# Allegro board TubiiPCB_V6.brd (continued)
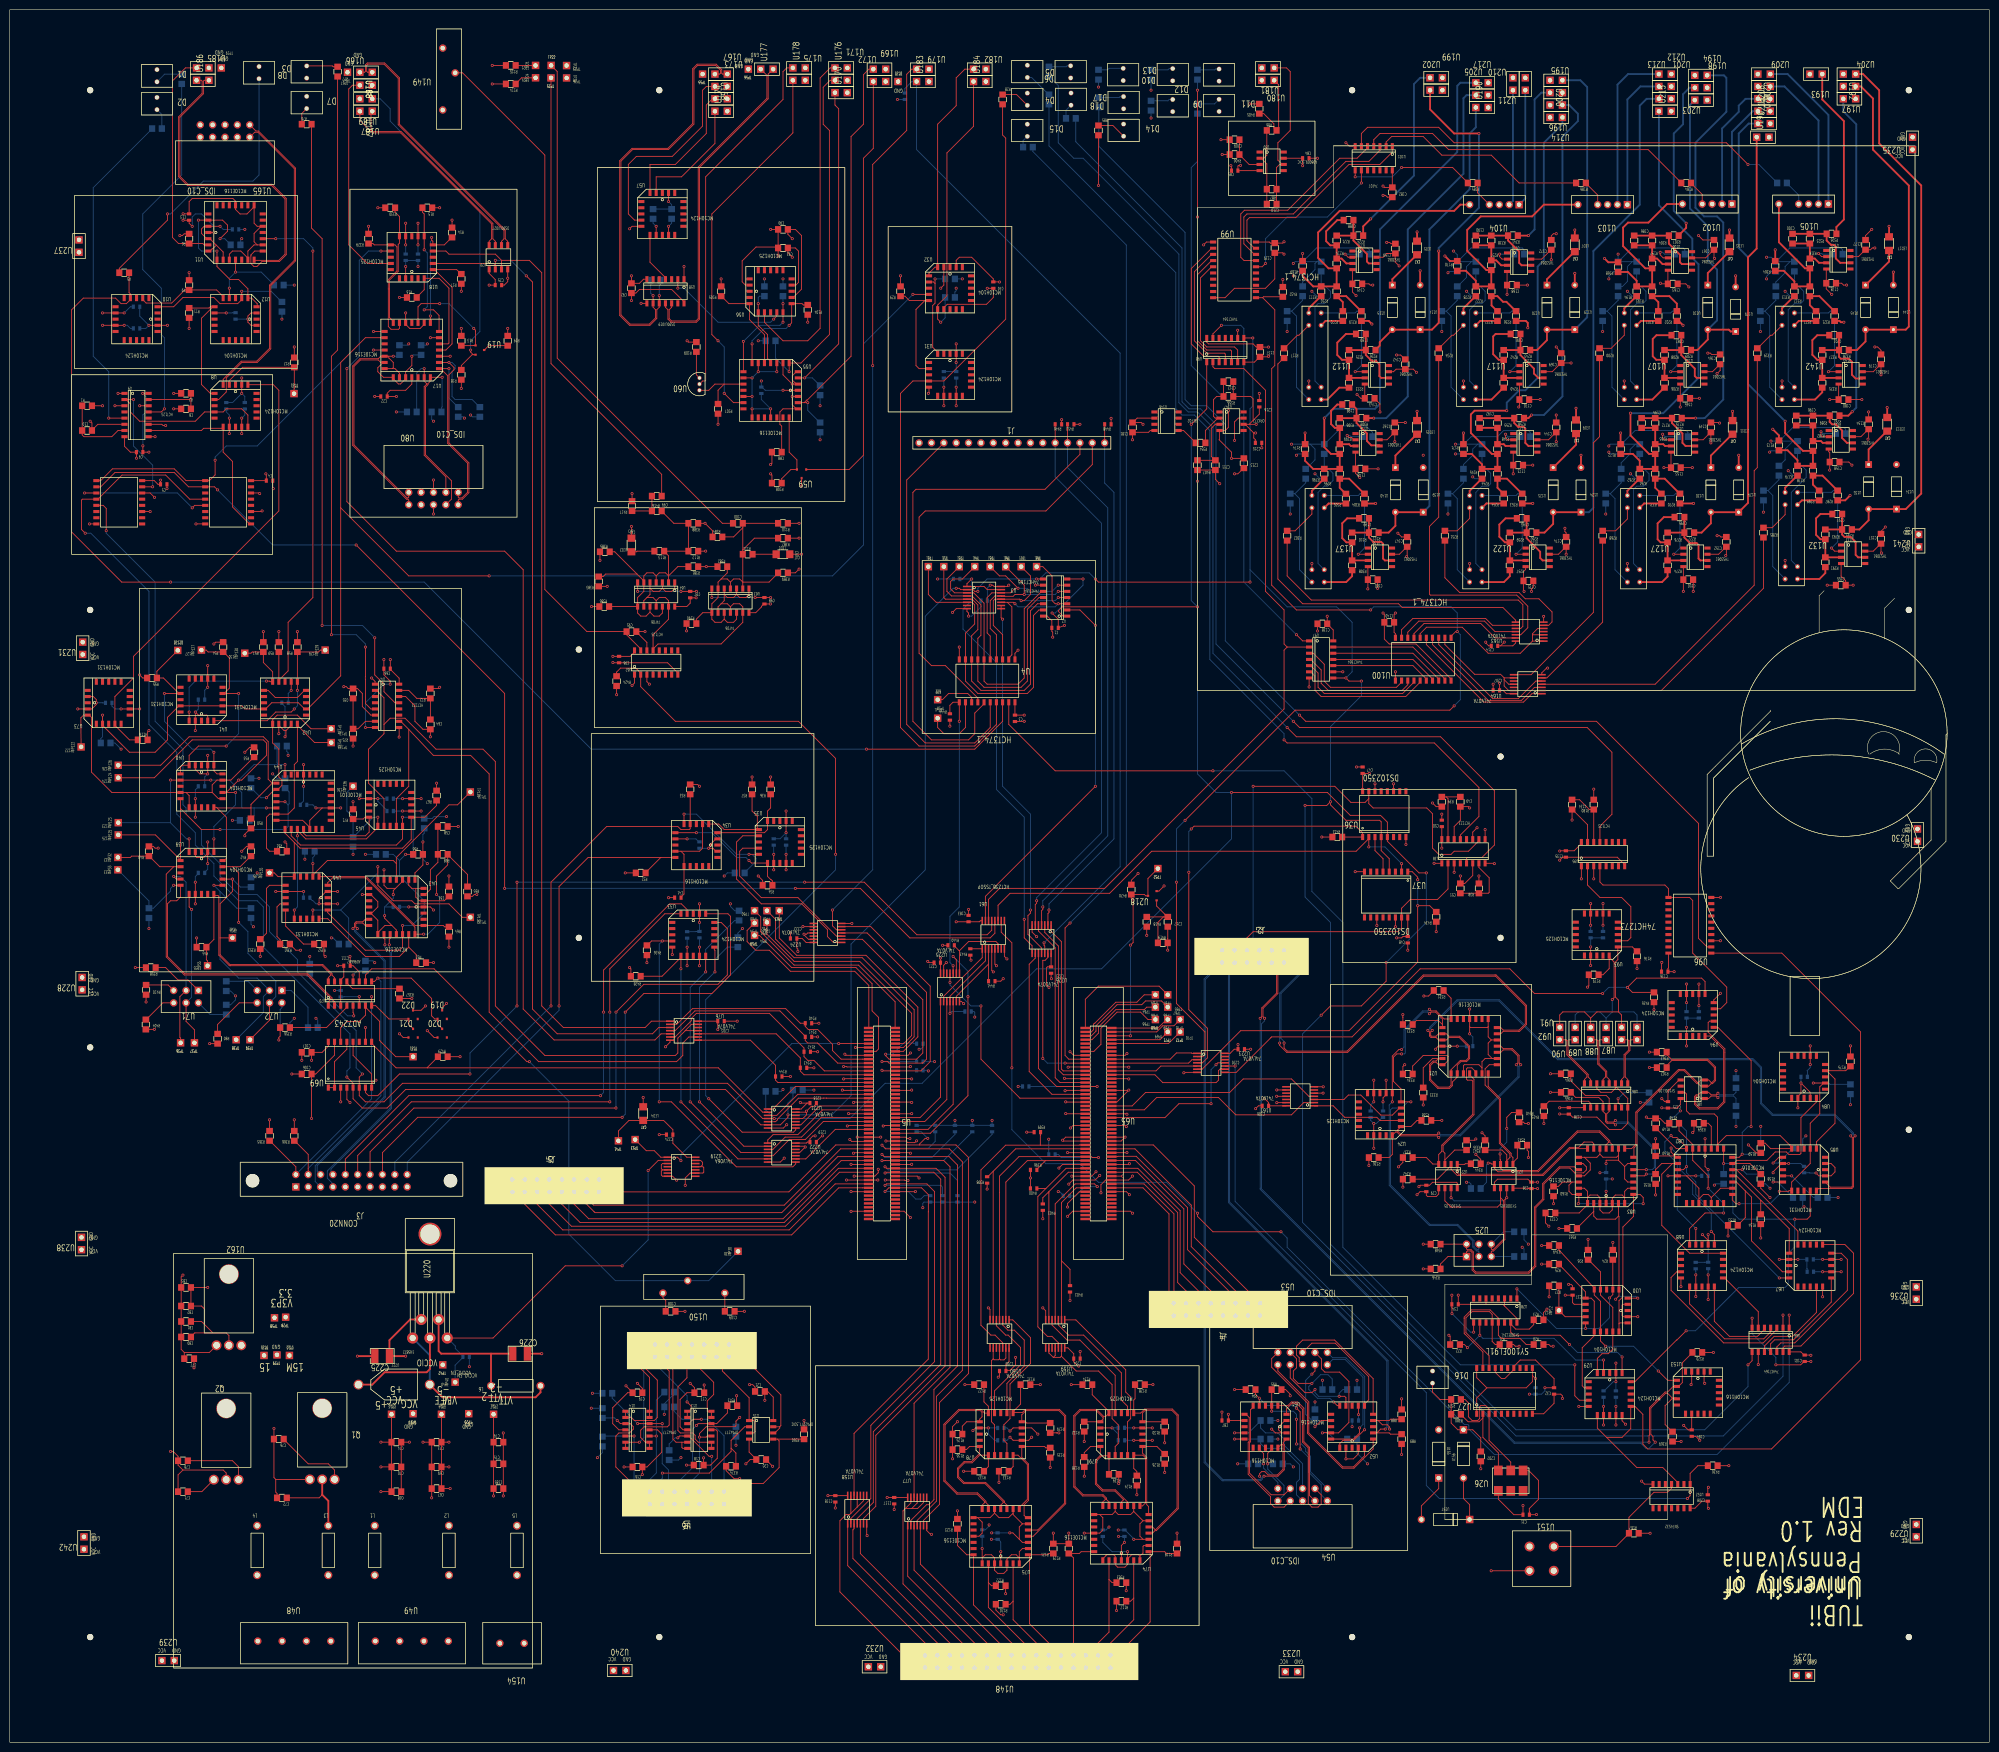
[diagram p0: board, top side]
## Placement (name value [footprint] x y rotation side) (continued)
U135  -  [DO35]  381.63 262.25 180 top
U136  ***  [SOIC8]  278.76 266.7 0 top
U137  -  [COTO2300_V1]  268.6 247.01 0 top
U138  ***  [SOIC8]  281.3 243.2 0 top
U139  -  [DO35]  290.19 252.48 0 top
U140  -  [DO35]  284.48 261.62 180 top
U141  ***  [SOIC8]  375.41 304.29 0 top
U142  -  [COTO2300_V1]  365.12 284.48 0 top
U143  ***  [SOIC8]  377.95 280.67 0 top
U144  -  [DO35]  386.71 289.94 0 top
U145  -  [DO35]  381 299.08 180 top
U146  ***  [SOIC8]  237.49 271.14 0 top
U147  ***  [SOIC8]  250.83 271.14 0 top
U148  -  [CONN32]  201.87 16.57 270 top
U149  -  [3006_TRIMPOT]  90.17 341.38 180 top
U150  -  [3006_TRIMPOT]  140.46 93.47 270 top
U151  -  [D6R10F1_BUTTON]  314.51 37.69 90 top
U152  ***  [SOIC14]  341.18 50.52 270 top
U153  ***  [PLCC20]  346.58 71.75 0 top
U154  -  [OSTOQ027150]  103.12 20.32 270 top
U155  -  [DO41]  293.37 54.23 0 top
U156  -  [DO41]  298.45 64.13 180 top
U157  -  [DO41]  299.72 45.72 90 top
U158  ***  [TSSOP14]  173.99 47.75 90 top
U159  ***  [TSSOP14]  214.63 83.82 270 top
U160  ***  [TSSOP14]  203.2 83.82 270 top
U161  ***  [TSSOP14]  264.92 132.59 180 top
U162  -  [TO220ABH]  42.46 81.47 270 top
U163  ***  [TSSOP14]  312.04 227.97 180 top
U164  ***  [TSSOP14]  311.66 217.17 180 top
U165  -  [CONN10]  49.28 331.98 180 top
U166  -  [SIP2]  73.15 340.11 90 top
U167  -  [SIP2]  146.05 339.85 90 top
U168  -  [SIP2]  146.05 342.39 270 top
U169  -  [SIP2]  178.56 340.87 90 top
U170  -  [SIP2]  170.69 338.58 90 top
U171  -  [SIP2]  170.69 341.12 90 top
U172  -  [SIP2]  178.56 343.41 90 top
U173  -  [SIP2]  146.05 337.31 90 top
U174  -  [SIP2]  146.05 334.77 90 top
U175  -  [SIP2]  162.05 341.12 90 top
U176  -  [SIP2]  170.69 343.66 90 top
U177  -  [SIP2]  155.45 343.41 90 top
U178  -  [SIP2]  162.05 343.66 90 top
U179  -  [SIP2]  187.45 343.41 90 top
U180  -  [SIP2]  258.32 341.12 270 top
U181  -  [SIP2]  258.32 343.66 270 top
U182  -  [SIP2]  199.14 343.41 90 top
U183  -  [SIP2]  187.45 340.87 90 top
U184  -  [SIP2]  199.14 340.87 90 top
U185  -  [SIP2]  39.62 343.66 90 top
U186  -  [SIP2]  39.62 341.12 90 top
U187  -  [SIP2]  73.15 334.77 270 top
U188  -  [SIP2]  73.15 342.77 270 top
U189  -  [SIP2]  73.15 337.31 270 top
U190  -  [SIP2]  302.26 335.53 90 top
U191  -  [SIP2]  359.92 329.44 90 top
U192  -  [SIP2]  377.7 342.39 270 top
U193  -  [SIP2]  370.84 342.39 270 top
U194  -  [SIP2]  347.22 339.6 90 top
U195  -  [SIP2]  317.5 338.58 90 top
U196  -  [SIP2]  317.5 336.04 270 top
U197  -  [SIP2]  377.7 339.85 270 top
U198  -  [SIP2]  347.22 337.06 90 top
U199  -  [SIP2]  292.86 339.09 90 top
U200  -  [SIP2]  317.5 341.12 270 top
U201  -  [SIP2]  339.85 337.31 90 top
U202  -  [SIP2]  292.86 341.63 90 top
U203  -  [SIP2]  347.22 342.14 270 top
U204  -  [SIP2]  377.7 337.31 90 top
U205  -  [SIP2]  302.26 338.07 90 top
U206  -  [SIP2]  360.17 342.39 270 top
U207  -  [SIP2]  360.17 339.85 270 top
U208  -  [SIP2]  360.17 334.77 90 top
U209  -  [SIP2]  360.17 337.31 90 top
U210  -  [SIP2]  311.15 340.36 180 top
U211  -  [SIP2]  308.61 340.36 180 top
U212  -  [SIP2]  339.85 339.85 90 top
U213  -  [SIP2]  339.85 342.39 90 top
U214  -  [SIP2]  317.5 333.5 270 top
U215  -  [SIP2]  339.85 334.77 90 top
U216  -  [SIP2]  360.17 332.23 90 top
U217  -  [SIP2]  302.26 340.61 90 top
U218  -  [SOT23]  234.57 173.74 180 top
U219  ***  [TSSOP14]  137.92 118.12 0 top
U220  -  [TO220_5PIN]  86.27 84.87 90 top
U221  ***  [TSSOP14]  158.5 128.02 0 top
U222  ***  [TSSOP14]  158.5 121.03 0 top
U223  ***  [TSSOP14]  246.63 139.45 0 top
U224  ***  [TSSOP14]  167.89 166.12 180 top
U225  ***  [TSSOP14]  193.04 154.94 90 top
U226  ***  [TSSOP14]  211.84 164.85 270 top
U227  ***  [DO201AD]  86.23 73.41 90 top
U228  -  [SIP2]  14.86 155.7 180 top
U229  -  [SIP2]  391.41 43.43 180 top
U230  -  [SIP2]  391.67 186.18 180 top
U231  -  [SIP2]  14.99 224.54 180 top
U232  -  [SIP2]  177.55 15.49 90 top
U233  -  [SIP2]  263.14 14.48 90 top
U234  -  [SIP2]  368.05 13.72 90 top
U235  -  [SIP2]  390.65 328.17 180 top
U236  -  [SIP2]  391.41 92.2 180 top
U237  -  [SIP2]  14.22 307.09 180 top
U238  -  [SIP2]  14.73 102.36 180 top
U239  -  [SIP2]  32.51 16.76 90 top
U240  -  [SIP2]  125.22 14.73 90 top
U241  -  [SIP2]  391.92 246.63 180 top
U242  -  [SIP2]  15.24 40.89 180 top

## Library data of the parts
C1-C3 = CSMD0603: Tolerance: ***; User Part Number: 0603; part number: CSMD0603-0.1UF,10%,0603,50V; room: CNTRL_REG
C4-C7 C9 = CSMD0603: Tolerance: ***; User Part Number: 0603; part number: CSMD0603-1.0UF,10%,0603,25V; room: GT_DELAY
C8 C10 = CSMD0805: part number: CSMD0805-0.1UF,5%,0805,50V; room: GT_DELAY
C11-C15 = CSMD0603: Tolerance: ***; User Part Number: 0603; part number: CSMD0603-0.1UF,10%,0603,50V; room: SEL_LO
C16-C21 = CSMD0805: part number: CSMD0805-1.0UF,10%,0805,25V; room: BASE_BUFFER
C22-C25 = CSMD0603: Tolerance: ***; User Part Number: 0603; part number: CSMD0603-0.1UF,10%,0603,50V; room: CAEN_DIG
C26-C30 = CSMD0603: Tolerance: ***; User Part Number: 0603; part number: CSMD0603-0.1UF,10%,0603,50V; room: CHANGE_CLKS
C31 = CSMD0603: Tolerance: ***; User Part Number: 0603; part number: CSMD0603-10NF,10%,0603,25V; room: CLK_PICK
C32-C37 C184 = CSMD0603: Tolerance: ***; User Part Number: 0603; part number: CSMD0603-0.1UF,10%,0603,50V; room: CLK_PICK
C38-C40 = CSMD0603: Tolerance: ***; User Part Number: 0603; part number: CSMD0603-0.1UF,10%,0603,50V; room: ECAL_CONTROL
C41-C46 = CSMD0603: Tolerance: ***; User Part Number: 0603; part number: CSMD0603-0.1UF,10%,0603,50V; room: ELLIE
C47 C48 = CSMD0603: Tolerance: ***; User Part Number: 0603; part number: CSMD0603-0.1UF,10%,0603,50V; room: GENERIC_DELAYS
C49 C51 = CSMD0805: part number: CSMD0805-0.1UF,5%,0805,50V; room: GENERIC_DELAYS
C50 = CSMD0603: Tolerance: ***; User Part Number: 0603; part number: CSMD0603-1.0UF,10%,0603,25V; room: GENERIC_DELAYS
C52-C57 C60 C62 C63 C66 = CSMD0603: Tolerance: ***; User Part Number: 0603; part number: CSMD0603-0.1UF,5%,0603,50V; room: MTCA_MIMIC
C58 C59 C61 C64 C65 = CSMD0805: part number: CSMD0805-0.1UF,5%,0805,50V; room: MTCA_MIMIC
C67 C68 C75 C77 C80 = TANT0805: part number: TANT0805-10UF,5%,0805,25V; room: POWER
C69 C70 C79 C81 = TANT0805: part number: TANT0805-1UF,10%,0805,25V; room: POWER
C71 C72 = CSMD0805: part number: CSMD0805-0.33UF,10%,0805,25V; room: POWER
C73 C74 C82 C185 = TANT0805: part number: TANT0805-0.1UF,5%,0805,50V; room: POWER
C76 C78 = CSMD0805: part number: CSMD0805-0.1UF,5%,0805,50V; room: POWER
C83 = CSMD0805: part number: CSMD0805-10NF,10%,0805,25V; room: POWER
C84 C85 = CSMD0603: Tolerance: ***; User Part Number: 0603; part number: CSMD0603-0.1UF,10%,0603,50V; room: PULSE_INV
C86 C87 = CSMD0603: Tolerance: ***; User Part Number: 0603; part number: CSMD0603-0.1UF,10%,0603,50V; room: RIBBON_DELAY
C88 C90-C94 = CSMD0805: part number: CSMD0805-0.1UF,5%,0805,50V; room: TRANSLATORS
C89 = CSMD0603: Tolerance: ***; User Part Number: 0603; part number: CSMD0603-0.1UF,10%,0603,50V; room: TRANSLATORS
C95 = CSMD0805: part number: CSMD0805-100NF,10%,0805,25V; room: SPKR
C96-C98 = CSMD0603: Tolerance: ***; User Part Number: 0603; part number: CSMD0603-0.1UF,5%,0603,50V; room: SPKR
C99 C100 = CSMD0805: part number: CSMD0805-0.1UF,5%,0805,50V; room: SPKR
C101-C105 C124-C133 C135 C136 C208 = CSMD0603: Tolerance: ***; User Part Number: 0603; part number: CSMD0603-0.1UF,10%,0603,50V; room: FAULT_DETECT
C106-C109 = CSMD0805: part number: CSMD0805-1UF,10%,0805,25V
C110-C112 C203-C207 C214-C216 C218-C224 = CSMD0603: Tolerance: ***; User Part Number: 0603; part number: CSMD0603-0.1UF,10%,0603,50V
C113-C122 = CSMD0603: Tolerance: ***; User Part Number: 0603; part number: CSMD0603-0.1UF,10%,0603,50V; room: EXT_TRIG
C123 = CSMD0805: part number: CSMD0805-0.1UF,5%,0805,50V; room: FAULT_DETECT
C134 = CSMD0805: part number: CSMD0805-15PF,10%,0805,25V; room: FAULT_DETECT
C137-C140 C182 = CSMD0805: part number: CSMD0805-0.1UF,5%,0805,50V; room: CAEN_ANALOG
C141-C180 = CSMD0805: part number: CSMD0805-1UF,10%,0805,25V; room: CAEN_ANALOG
C181 C209 C211 C213 = CSMD0805: part number: CSMD0805-0.1UF,5%,0805,50V
C183 = CSMD0603: Tolerance: ***; User Part Number: 0603; part number: CSMD0603-0.1UF,5%,0603,50V
C186-C201 = CSMD0805: part number: CSMD0805-NS,10%,0805,25V; room: CAEN_ANALOG
C202 = CSMD0805: part number: CSMD0805-0.01UF,10%,0805,25V
C210 C212 = CSMD0805: part number: CSMD0805-NS,10%,0805,25V
C217 = CSMD0805: part number: CSMD0805-5PF,5%,0805,50V
C225 = CAP_1210: Tolerance: TOL?; User Part Number: CL32A227MQVNNE; part number: CAP_1210-220UF,20%,6.3V,X5R
C226 = CAP_1210: Tolerance: TOL?; User Part Number: CKG57NX7S1C107M500JH; part number: CAP_1210-100UF,20%,16V,X7S
D1 D2 = LED_L: room: GT_DELAY
D3 = LED_L: room: SEL_LO
D4-D6 D9-D18 = LED_L
D7 D8 = LED_L: room: MTCA_MIMIC
D19-D22 = BAS16LT1
J1 = SIP_HEADER_16PIN
J2 = CONN12
J3 = CONN20: User Part Number: ***
J4 J5 = CONN16
L1-L6 = INDUCTOR_L: alternate symbols: (INDUCT_SMD); room: POWER
LED1 LED2 = LED_1206: part number: LED_1206-RED,RED,1206,16V; room: SPKR
LED3 LED5 LED7 LED9 LED11 LED13 LED15 LED17 = LED_1206: part number: LED_1206-GREEN,GREEN,1206,16V; room: CAEN_ANALOG
LED4 = LED_1206: part number: LED_1206-RED,RED,1206,16V
Q1 = 7915_L: room: POWER
Q2 = 7815S_L: room: POWER
R1 R2 = RSMD0805: part number: RSMD0805-10K,1%,0805; room: GT_DELAY
R3 R4 = RSMD0805: part number: RSMD0805-100,1%,0805; room: GT_DELAY
R5 = RSMD0805: part number: RSMD0805-100,1%,0805; room: SEL_LO
R6-R11 = RSMD0805: part number: RSMD0805-50,1%,0805; room: SEL_LO
R12 R28 R40 R41 R110 R112 R181 R182 R367 R368 R381-R390 R416 R417 = RSMD0805: part number: RSMD0805-100,1%,0805
R13-R17 R187-R192 R329 R330 = RSMD0805: part number: RSMD0805-50,1%,0805; room: CAEN_DIG
R18 R19 = RSMD0805: part number: RSMD0805-1000,1%,0805; room: CAEN_DIG
R20-R27 R349 R369 R370 = RSMD0805: part number: RSMD0805-50,1%,0805; room: CLK_PICK
R29-R31 = RSMD0805: part number: RSMD0805-50,1%,0805; room: ECAL_CONTROL
R32-R37 = RSMD0805: part number: RSMD0805-50,1%,0805; room: ELLIE
R38 R39 = RSMD0805: part number: RSMD0805-10K,1%,0805; room: GENERIC_DELAYS
R42-R46 R48-R65 R67 R69-R71 R73 R74 = RSMD0805: part number: RSMD0805-50,1%,0805; room: MTCA_MIMIC
R47 R80 R356-R358 R404 R408-R415 = RSMD0805: part number: RSMD0805-5.1K,1%,0805
R66 R68 = RSMD0805: part number: RSMD0805-1000,1%,0805; room: MTCA_MIMIC
R72 R75 = RSMD0805: part number: RSMD0805-10K,1%,0805; room: MTCA_MIMIC
R76 R77 = RSMD0805: part number: RSMD0805-100,1%,0805; room: MTCA_MIMIC
R78 R79 R82-R85 R114 R115 R418 = RSMD0805: part number: RSMD0805-1000,1%,0805
R81 R350 R371-R378 R420 = RSMD0805: part number: RSMD0805-NS,1%,0805
R86 R87 = RSMD0805: part number: RSMD0805-1000,1%,0805; room: PULSE_INV
R88-R99 = RSMD0805: part number: RSMD0805-50,1%,0805; room: RIBBON_DELAY
R100-R107 = RSMD0805: part number: RSMD0805-50,1%,0805; room: TRANSLATORS
R108 R109 = RSMD0805: part number: RSMD0805-1000,1%,0805; room: TRANSLATORS
R111 R113 = RSMD0805: part number: RSMD0805-1000,1%,0805; room: SPKR
R116 R365 R366 R379 R380 R405 = RSMD0805: part number: RSMD0805-50,1%,0805
R117-R139 R363 = RSMD0805: part number: RSMD0805-50,1%,0805; room: EXT_TRIG
R140-R147 R391-R403 R421 R437-R450 = RSMD0603: Tolerance: ***; User Part Number: 0603; part number: RSMD0603-4K,0.1%,0603
R148-R166 R175-R179 = RSMD0805: part number: RSMD0805-50,1%,0805; room: FAULT_DETECT
R167 = RSMD0805: part number: RSMD0805-499,1%,0805; room: CLK_PICK
R168-R174 R364 = RSMD0805: part number: RSMD0805-50,1%,0805; room: CAEN_ANALOG
R180 = RSMD0805: part number: RSMD0805-2K,1%,0805; room: FAULT_DETECT
R183-R186 = RSMD0805: part number: RSMD0805-100,1%,0805; room: CAEN_ANALOG
R193 R210 R227 R244 R261 R278 R295 R312 = RSMD0805: part number: RSMD0805-2K,1%,0805; room: CAEN_ANALOG
R194-R198 R201 R203 R204 R208 R211-R215 R218 R220 R221 R225 R228-R232 R235 R237 R238 R242 R245-R249 R252 R254 R255 R259 R262-R266 R269 R271 R272 R276 R279-R283 R286 R288 R289 R293 R296-R300 R303 R305 R306 R310 R313-R317 R320 R322 R323 R327 = RES_L: alternate symbols: (RES400); room: CAEN_ANALOG
R199 R216 R233 R250 R267 R284 R301 R318 = RSMD0805: part number: RSMD0805-111,1%,0805; room: CAEN_ANALOG
R200 R217 R234 R251 R268 R285 R302 R319 = RSMD0805: part number: RSMD0805-10,1%,0805; room: CAEN_ANALOG
R202 R219 R236 R253 R270 R287 R304 R321 = RSMD0805: part number: RSMD0805-499,1%,0805; room: CAEN_ANALOG
R205-R207 R209 R222-R224 R226 R239-R241 R243 R256-R258 R260 R273-R275 R277 R290-R292 R294 R307-R309 R311 R324-R326 R328 = RSMD0805: part number: RSMD0805-0,1%,0805; room: CAEN_ANALOG
R331-R348 = RSMD0805: part number: RSMD0805-50,1%,0805; room: CHANGE_CLKS
R351-R353 = RSMD0805: part number: RSMD0805-5.1K,1%,0805; room: MTCA_MIMIC
R354 R355 = RSMD0805: part number: RSMD0805-10K,1%,0805
R359-R362 = RSMD0805: part number: RSMD0805-5.1K,1%,0805; room: FAULT_DETECT
R406 R407 = RSMD0805: part number: RSMD0805-10,1%,0805
R419 R424-R436 = RSMD0805: part number: RSMD0805-4K,1%,0805
TP1-TP10 = TESTPOINT_L: room: CNTRL_REG
TP11 TP18-TP33 TP36-TP42 TP52-TP57 TP59-TP72 TP122-TP126 TP128 TP131-TP134 = TESTPOINT_L
TP12 = TESTPOINT_L: room: CLK_PICK
TP13-TP17 TP58 = TESTPOINT_L: room: POWER
TP34 TP35 TP127 TP129 TP130 TP135 TP136 = TESTPOINT_L: room: MTCA_MIMIC
U1 = DS1023200: room: GT_DELAY
U2 U66 U97 U98 = 74HCT164
U3 = 74HCT165: room: CNTRL_REG
U4 = HCT374_1: room: CNTRL_REG
U5 U65 = FCI_61083-101400LF
U6 U16 = CONN14
U7 = DS1023500: room: GT_DELAY
U8 = MC10H124: room: GT_DELAY
U9 = HCT123: room: GT_DELAY
U10 = MC10H124: room: SEL_LO
U11 = MC10E116: room: SEL_LO
U12 = MC10H104: room: SEL_LO
U13 U14 = OPA4277: room: BASE_BUFFER
U15 = OPA2277: room: BASE_BUFFER
U17 = MC10E116: room: CAEN_DIG
U18 = MC10H125: room: CAEN_DIG
U19 = MMBTH81: room: CAEN_DIG
U20 = DS90LV027: room: CAEN_DIG
U21 = MC10E116: room: CHANGE_CLKS
U22 U23 = SY100EL05: room: CHANGE_CLKS
U24 = MC10H125: room: CHANGE_CLKS
U25 = SS22SDP2: room: CHANGE_CLKS
U26 = FOXCLOCK: room: CLK_PICK
U27 = SY100EL91L: room: CLK_PICK
U28 = SY100EL34L: room: CLK_PICK
U29 = MC10H124: room: CLK_PICK
U30 = MC10H104: room: CLK_PICK
U31 = MC10H124: room: ECAL_CONTROL
U32 = MC10H104: room: ECAL_CONTROL
U33 = MC10H124: room: ELLIE
U34 = MC10H116: room: ELLIE
U35 = MC10H125: room: ELLIE
U36 U37 = DS102350: room: GENERIC_DELAYS
U38 = HCT123: room: GENERIC_DELAYS
U39 U40 = MC10H104: room: MTCA_MIMIC
U41 U42 U46 = MC10H131: room: MTCA_MIMIC
U43 = MC10E116: room: MTCA_MIMIC
U44 = MC10E101: room: MTCA_MIMIC
U45 = MC10H125: room: MTCA_MIMIC
U47 = HCT123: room: MTCA_MIMIC
U48 U49 = OSTOQ047150: room: POWER
U50 = AD8009: room: PULSE_INV
U51 U52 = MC10H116: room: RIBBON_DELAY
U53 U54 = IDS_C10: User Part Number: ***; room: RIBBON_DELAY
U55 = MC10E116: room: TRANSLATORS
U56 = MC10H125: room: TRANSLATORS
U57 = MC10H124: room: TRANSLATORS
U58 = DS90LV019: room: TRANSLATORS
U59 = MMBTH10: room: TRANSLATORS
U60 = MPSH81: room: TRANSLATORS
U61 = HCT238: alternate symbols: (DIP16_3)
U62 = HCT123: room: SPKR
U63 U64 = 74F06: room: SPKR
U67 U68 U94 = MC10H124: room: FAULT_DETECT
U69 = AD7243
U70 = AD96687
U71 U72 = SS22SDP2
U73 = MC10H131
U74 U75 = MC10E116: room: EXT_TRIG
U76 U77 U158-U161 U163 U164 U221-U225 = 74LV07A
U78 U79 = MC10H125: room: EXT_TRIG
U80 U165 = IDS_C10: User Part Number: ***
U81 = SY100EL05: room: FAULT_DETECT
U82 = MC10E016: room: FAULT_DETECT
U83 = MC10E116: room: FAULT_DETECT
U84 = MC10H104: room: FAULT_DETECT
U85 = MC10H131: room: FAULT_DETECT
U86 = SY100EL34L: room: FAULT_DETECT
U87-U92 = SIP_HEADER_2PIN: room: FAULT_DETECT
U93 = MC10H125: room: FAULT_DETECT
U95 = HCT123: room: FAULT_DETECT
U96 = 74HCT273: room: FAULT_DETECT
U99 U100 = HCT374_1: room: CAEN_ANALOG
U101 = 74F07
U102-U105 = PICKERING113FC: room: CAEN_ANALOG
U106 U108 U111 U113 U116 U118 U121 U123 U126 U128 U131 U133 U136 U138 U141 U143 = THS3061: room: CAEN_ANALOG
U107 U112 U117 U122 U127 U132 U137 U142 = COTO2342: room: CAEN_ANALOG
U109 U110 U114 U115 U119 U120 U124 U125 U129 U130 U134 U135 U139 U140 U144 U145 = 1N4448: part number: 1N4448-BASE; room: CAEN_ANALOG
U146 = REF02
U147 = OPA277
U148 = CONN32
U149 U150 = 3006P_TRIMPOT
U151 = DR610F1_BUTTON
U152 = SN74S32: room: CLK_PICK
U153 = MC10H116
U154 = OSTOQ027150
U155-U157 = Z4KE
U162 = LT1085CT
U166-U217 U228-U242 = SIP_HEADER_2PIN
U218 = BSS138
U219 = 74LV06A
U220 = LM2595
U226 = 74LVC07A
U227 = 1N5822

## Footprints (pads in the part's own frame, mm; a bottom-side part is the same pattern mirrored in y, then rotated)
3006_TRIMPOT
  round 1.524 hole 0.914: 1(1.27,6.35) 2(-1.27,-1.27) 3(1.27,-6.35)
CAP0603
  rect 0.635x0.889 smd: 1(0,-2.54) 2(1.321,-2.54)
CAP805
  rect 1.372x1.27 smd: 1(0,1.001) 2(0,-1.001)
CAP1210
  rect 1.501x2.901 smd: 1(-1.501,0) 2(1.501,0)
CONN10
  round 1.524 hole 0.914: 1(0,0) 2(0,2.54) 3(2.54,0) 4(2.54,2.54) 5(5.08,0) 6(5.08,2.54) 7(7.62,0) 8(7.62,2.54) 9(10.16,0) 10(10.16,2.54)
CONN12
  rect 1.524x1.524 hole 0.914: 1(-1.27,6.35)
  round 1.524 hole 0.914: 2(1.27,6.35) 3(-1.27,3.81) 4(1.27,3.81) 5(-1.27,1.27) 6(1.27,1.27) 7(-1.27,-1.27) 8(1.27,-1.27) 9(-1.27,-3.81) 10(1.27,-3.81) 11(-1.27,-6.35) 12(1.27,-6.35)
CONN14
  rect 1.524x1.524 hole 0.914: 1(-1.27,10.16)
  round 1.524 hole 0.914: 2(1.27,10.16) 3(-1.27,7.62) 4(1.27,7.62) 5(-1.27,5.08) 6(1.27,5.08) 7(-1.27,2.54) 8(1.27,2.54) 9(-1.27,0) 10(1.27,0) 11(-1.27,-2.54) 12(1.27,-2.54) 13(-1.27,-5.08) 14(1.27,-5.08)
CONN16
  rect 1.524x1.524 hole 0.914: 1(-1.27,10.16)
  round 1.524 hole 0.914: 2(1.27,10.16) 3(-1.27,7.62) 4(1.27,7.62) 5(-1.27,5.08) 6(1.27,5.08) 7(-1.27,2.54) 8(1.27,2.54) 9(-1.27,0) 10(1.27,0) 11(-1.27,-2.54) 12(1.27,-2.54) 13(-1.27,-5.08) 14(1.27,-5.08) 15(-1.27,-7.62) 16(1.27,-7.62)
CONN20
  round 3.023 hole 2.769 unplated: (-1.27,31.75) (-1.27,-8.89)
  rect 1.524x1.524 hole 0.914: 1(0,0)
  round 1.524 hole 0.914: 2(-2.54,0) 3(0,2.54) 4(-2.54,2.54) 5(0,5.08) 6(-2.54,5.08) 7(0,7.62) 8(-2.54,7.62) 9(0,10.16) 10(-2.54,10.16) 11(0,12.7) 12(-2.54,12.7) 13(0,15.24) 14(-2.54,15.24) 15(0,17.78) 16(-2.54,17.78) 17(0,20.32) 18(-2.54,20.32) 19(0,22.86) 20(-2.54,22.86)
CONN32
  rect 1.524x1.524 hole 0.914: 1(-1.27,24.13)
  round 1.524 hole 0.914: 2(1.27,24.13) 3(-1.27,21.59) 4(1.27,21.59) 5(-1.27,19.05) 6(1.27,19.05) 7(-1.27,16.51) 8(1.27,16.51) 9(-1.27,13.97) 10(1.27,13.97) 11(-1.27,11.43) 12(1.27,11.43) 13(-1.27,8.89) 14(1.27,8.89) 15(-1.27,6.35) 16(1.27,6.35) 17(-1.27,3.81) 18(1.27,3.81) 19(-1.27,1.27) 20(1.27,1.27) 21(-1.27,-1.27) 22(1.27,-1.27) 23(-1.27,-3.81) 24(1.27,-3.81) 25(-1.27,-6.35) 26(1.27,-6.35) 27(-1.27,-8.89) 28(1.27,-8.89) 29(-1.27,-11.43) 30(1.27,-11.43) 31(-1.27,-13.97) 32(1.27,-13.97)
COTO2300_V1
  round 1.016 hole 0.533: 1(-1.27,8.89) 2(-1.27,6.35) 3(-1.27,-6.35) 4(-1.27,-8.89) 5(1.27,-8.89) 6(1.27,-6.35) 7(1.27,6.35) 8(1.27,8.89)
D6R10F1_BUTTON
  round 2.032 hole 1.27: 1(-2.489,2.489) 2(-2.489,-2.489) 3(2.489,-2.489) 4(2.489,2.489)
DO35
  rect 1.397x1.397 hole 0.635: 1(0,0)
  round 1.397 hole 0.635: 2(0,9.144)
DO41
  rect 1.524x1.524 hole 0.914: 1(0,0)
  round 1.524 hole 0.914: 2(0,9.906)
DO201AD
  round 2.032 hole 1.524: 1(0,0) 2(0,14.63)
FCI_61083_CONNECTOR
  round 0 hole 0.838 unplated: (0,24.6)
  round 0 hole 1.219 unplated: (0,-24.6)
  rect 2.032x0.508 smd: 1(2.7,19.601) 2(-2.7,19.601) 3(2.7,18.801) 4(-2.7,18.801) 5(2.7,18.001) 6(-2.7,18.001) 7(2.7,17.201) 8(-2.7,17.201) 9(2.7,16.401) 10(-2.7,16.401) 11(2.7,15.601) 12(-2.7,15.601) 13(2.7,14.801) 14(-2.7,14.801) 15(2.7,14) 16(-2.7,14) 17(2.7,13.2) 18(-2.7,13.2) 19(2.7,12.4) 20(-2.7,12.4) 21(2.7,11.6) 22(-2.7,11.6) 23(2.7,10.8) 24(-2.7,10.8) 25(2.7,10) 26(-2.7,10) 27(2.7,9.2) 28(-2.7,9.2) 29(2.7,8.4) 30(-2.7,8.4) 31(2.7,7.6) 32(-2.7,7.6) 33(2.7,6.8) 34(-2.7,6.8) 35(2.7,5.999) 36(-2.7,5.999) 37(2.7,5.199) 38(-2.7,5.199) 39(2.7,4.399) 40(-2.7,4.399) 41(2.7,3.599) 42(-2.7,3.599) 43(2.7,2.799) 44(-2.7,2.799) 45(2.7,1.999) 46(-2.7,1.999) 47(2.7,1.199) 48(-2.7,1.199) 49(2.7,0.399) 50(-2.7,0.399) 51(2.7,-0.399) 52(-2.7,-0.399) 53(2.7,-1.199) 54(-2.7,-1.199) 55(2.7,-1.999) 56(-2.7,-1.999) 57(2.7,-2.799) 58(-2.7,-2.799) 59(2.7,-3.599) 60(-2.7,-3.599) 61(2.7,-4.399) 62(-2.7,-4.399) 63(2.7,-5.199) 64(-2.7,-5.199) 65(2.7,-5.999) 66(-2.7,-5.999) 67(2.7,-6.8) 68(-2.7,-6.8) 69(2.7,-7.6) 70(-2.7,-7.6) 71(2.7,-8.4) 72(-2.7,-8.4) 73(2.7,-9.2) 74(-2.7,-9.2) 75(2.7,-10) 76(-2.7,-10) 77(2.7,-10.8) 78(-2.7,-10.8) 79(2.7,-11.6) 80(-2.7,-11.6) 81(2.7,-12.4) 82(-2.7,-12.4) 83(2.7,-13.2) 84(-2.7,-13.2) 85(2.7,-14) 86(-2.7,-14) 87(2.7,-14.801) 88(-2.7,-14.801) 89(2.7,-15.601) 90(-2.7,-15.601) 91(2.7,-16.401) 92(-2.7,-16.401) 93(2.7,-17.201) 94(-2.7,-17.201) 95(2.7,-18.001) 96(-2.7,-18.001) 97(2.7,-18.801) 98(-2.7,-18.801) 99(2.7,-19.601) 100(-2.7,-19.601)
FEC32DTP
  rect 1.524x1.524 hole 0.914: 1(0,0)
INDUCT400
  round 1.651 hole 1.067: 1(0,0) 2(0,10.16)
LED1206
  rect 1.626x1.499 smd: 1(0,1.4) 2(0,-1.4)
LED_SSFLXH1031D
  round 1.001 hole 0.8: 1(0,0) 2(0,-2.499)
OSTOQ027150
  round 1.524 hole 0.914: 1(0,2.499) 2(0,-2.499)
OSTOQ047150
  round 1.524 hole 0.914: 1(0.442,7.493) 2(0.442,2.489) 3(0.442,-2.489) 4(0.442,-7.493)
P113FC
  rect 1.524x1.524 hole 0.914: 1(0,5.08)
  round 1.524 hole 0.914: 2(0,3.048) 3(0,1.016) 4(0,-1.016) 5(0,-5.08)
PLCC20
  rect 0.635x1.27 smd: 1(0,4.318) 2(-1.27,4.318) 3(-2.54,4.318) 9(-2.54,-4.318) 10(-1.27,-4.318) 11(0,-4.318) 12(1.27,-4.318) 13(2.54,-4.318) 19(2.54,4.318) 20(1.27,4.318)
  rect 1.27x0.635 smd: 4(-4.318,2.54) 5(-4.318,1.27) 6(-4.318,0) 7(-4.318,-1.27) 8(-4.318,-2.54) 14(4.318,-2.54) 15(4.318,-1.27) 16(4.318,0) 17(4.318,1.27) 18(4.318,2.54)
PLCC28
  rect 0.635x1.27 smd: 1(0,5.588) 2(-1.27,5.588) 3(-2.54,5.588) 4(-3.81,5.588) 12(-3.81,-5.588) 13(-2.54,-5.588) 14(-1.27,-5.588) 15(0,-5.588) 16(1.27,-5.588) 17(2.54,-5.588) 18(3.81,-5.588) 26(3.81,5.588) 27(2.54,5.588) 28(1.27,5.588)
  rect 1.27x0.635 smd: 5(-5.588,3.81) 6(-5.588,2.54) 7(-5.588,1.27) 8(-5.588,0) 9(-5.588,-1.27) 10(-5.588,-2.54) 11(-5.588,-3.81) 19(5.588,-3.81) 20(5.588,-2.54) 21(5.588,-1.27) 22(5.588,0) 23(5.588,1.27) 24(5.588,2.54) 25(5.588,3.81)
RES0603
  rect 0.635x0.889 smd: 1(0,-2.54) 2(1.321,-2.54)
RES805
  rect 1.372x1.27 smd: 1(0,1.001) 2(0,-1.001)
SIP2
  rect 1.524x1.524 hole 0.914: 1(0,1.27) 2(0,-1.27)
SIP16
  round 1.524 hole 0.914: 1(0,19.05) 2(0,16.51) 3(0,13.97) 4(0,11.43) 5(0,8.89) 6(0,6.35) 7(0,3.81) 8(0,1.27) 9(0,-1.27) 10(0,-3.81) 11(0,-6.35) 12(0,-8.89) 13(0,-11.43) 14(0,-13.97) 15(0,-16.51) 16(0,-19.05)
SMD_FOX
  rect 1.801x1.999 smd: 1(-2.54,2.101) 2(0,2.101) 3(2.54,2.101) 4(2.54,-2.101) 5(0,-2.101) 6(-2.54,-2.101)
SOIC8
  rect 1.27x0.635 smd: 1(-2.477,1.905) 2(-2.477,0.635) 3(-2.477,-0.635) 4(-2.477,-1.905) 5(2.477,-1.905) 6(2.477,-0.635) 7(2.477,0.635) 8(2.477,1.905)
SOIC14
  rect 1.27x0.635 smd: 1(-2.477,3.81) 2(-2.477,2.54) 3(-2.477,1.27) 4(-2.477,0) 5(-2.477,-1.27) 6(-2.477,-2.54) 7(-2.477,-3.81) 8(2.477,-3.81) 9(2.477,-2.54) 10(2.477,-1.27) 11(2.477,0) 12(2.477,1.27) 13(2.477,2.54) 14(2.477,3.81)
SOIC16
  rect 1.27x0.635 smd: 1(-2.477,4.445) 2(-2.477,3.175) 3(-2.477,1.905) 4(-2.477,0.635) 5(-2.477,-0.635) 6(-2.477,-1.905) 7(-2.477,-3.175) 8(-2.477,-4.445) 9(2.477,-4.445) 10(2.477,-3.175) 11(2.477,-1.905) 12(2.477,-0.635) 13(2.477,0.635) 14(2.477,1.905) 15(2.477,3.175) 16(2.477,4.445)
SOIC16W
  rect 1.27x0.635 smd: 1(-4.699,4.445) 2(-4.699,3.175) 3(-4.699,1.905) 4(-4.699,0.635) 5(-4.699,-0.635) 6(-4.699,-1.905) 7(-4.699,-3.175) 8(-4.699,-4.445) 9(4.699,-4.445) 10(4.699,-3.175) 11(4.699,-1.905) 12(4.699,-0.635) 13(4.699,0.635) 14(4.699,1.905) 15(4.699,3.175) 16(4.699,4.445)
SOIC20
  rect 1.27x0.635 smd: 1(0,0) 2(0,-1.27) 3(0,-2.54) 4(0,-3.81) 5(0,-5.08) 6(0,-6.35) 7(0,-7.62) 8(0,-8.89) 9(0,-10.16) 10(0,-11.43) 11(8.788,-11.43) 12(8.788,-10.16) 13(8.788,-8.89) 14(8.788,-7.62) 15(8.788,-6.35) 16(8.788,-5.08) 17(8.788,-3.81) 18(8.788,-2.54) 19(8.788,-1.27) 20(8.788,0)
SOIC20W
  rect 1.27x0.635 smd: 1(-4.699,5.715) 2(-4.699,4.445) 3(-4.699,3.175) 4(-4.699,1.905) 5(-4.699,0.635) 6(-4.699,-0.635) 7(-4.699,-1.905) 8(-4.699,-3.175) 9(-4.699,-4.445) 10(-4.699,-5.715) 11(4.699,-5.715) 12(4.699,-4.445) 13(4.699,-3.175) 14(4.699,-1.905) 15(4.699,-0.635) 16(4.699,0.635) 17(4.699,1.905) 18(4.699,3.175) 19(4.699,4.445) 20(4.699,5.715)
SOT23
  rect 0.508x0.432 smd: 1(-0.889,0.94) 2(-0.889,-0.965) 3(0.889,0)
SS22SDP2
  rect 1.524x1.524 hole 0.914: 1(-1.27,2.54)
  round 1.524 hole 0.914: 2(-1.27,0) 3(-1.27,-2.54) 4(1.27,2.54) 5(1.27,0) 6(1.27,-2.54)
SSOP16
  rect 1.651x0.33 smd: 1(-3.505,2.276) 2(-3.505,1.626) 3(-3.505,0.975) 4(-3.505,0.325) 5(-3.505,-0.325) 6(-3.505,-0.975) 7(-3.505,-1.626) 8(-3.505,-2.276) 9(3.505,-2.276) 10(3.505,-1.626) 11(3.505,-0.975) 12(3.505,-0.325) 13(3.505,0.325) 14(3.505,0.975) 15(3.505,1.626) 16(3.505,2.276)
TO92
  round 0.889 hole 0.635: 1(0,0) 2(0,-1.27) 3(0,-2.54)
TO220_5PIN
  round 2.286 hole 1.27: 1(-1.905,3.556) 2(1.905,1.778) 3(-1.905,0) 4(1.905,-1.778) 5(-1.905,-3.556)
  round 4.699 hole 3.937: 6(19.431,0)
TO220ABH
  round 2.032 hole 1.397: 1(0,0) 2(0,2.54) 3(0,5.08)
  round 4.064 hole 3.81: 4(-14.605,2.54)
TO220ABV
  round 2.032 hole 1.397: 1(0,0) 2(2.54,0) 3(5.08,0)
  round 4.064 hole 3.81: 4(2.54,14.605)
TSSOP14
  rect 1.651x0.33 smd: 1(-2.87,1.956) 2(-2.87,1.306) 3(-2.87,0.655) 4(-2.87,0.005) 5(-2.87,-0.645) 6(-2.87,-1.295) 7(-2.87,-1.946) 8(2.87,-1.946) 9(2.87,-1.295) 10(2.87,-0.645) 11(2.87,0.005) 12(2.87,0.655) 13(2.87,1.306) 14(2.87,1.956)